# Altium PCB qfc.PcbDoc (part 9 of 13) (continued)
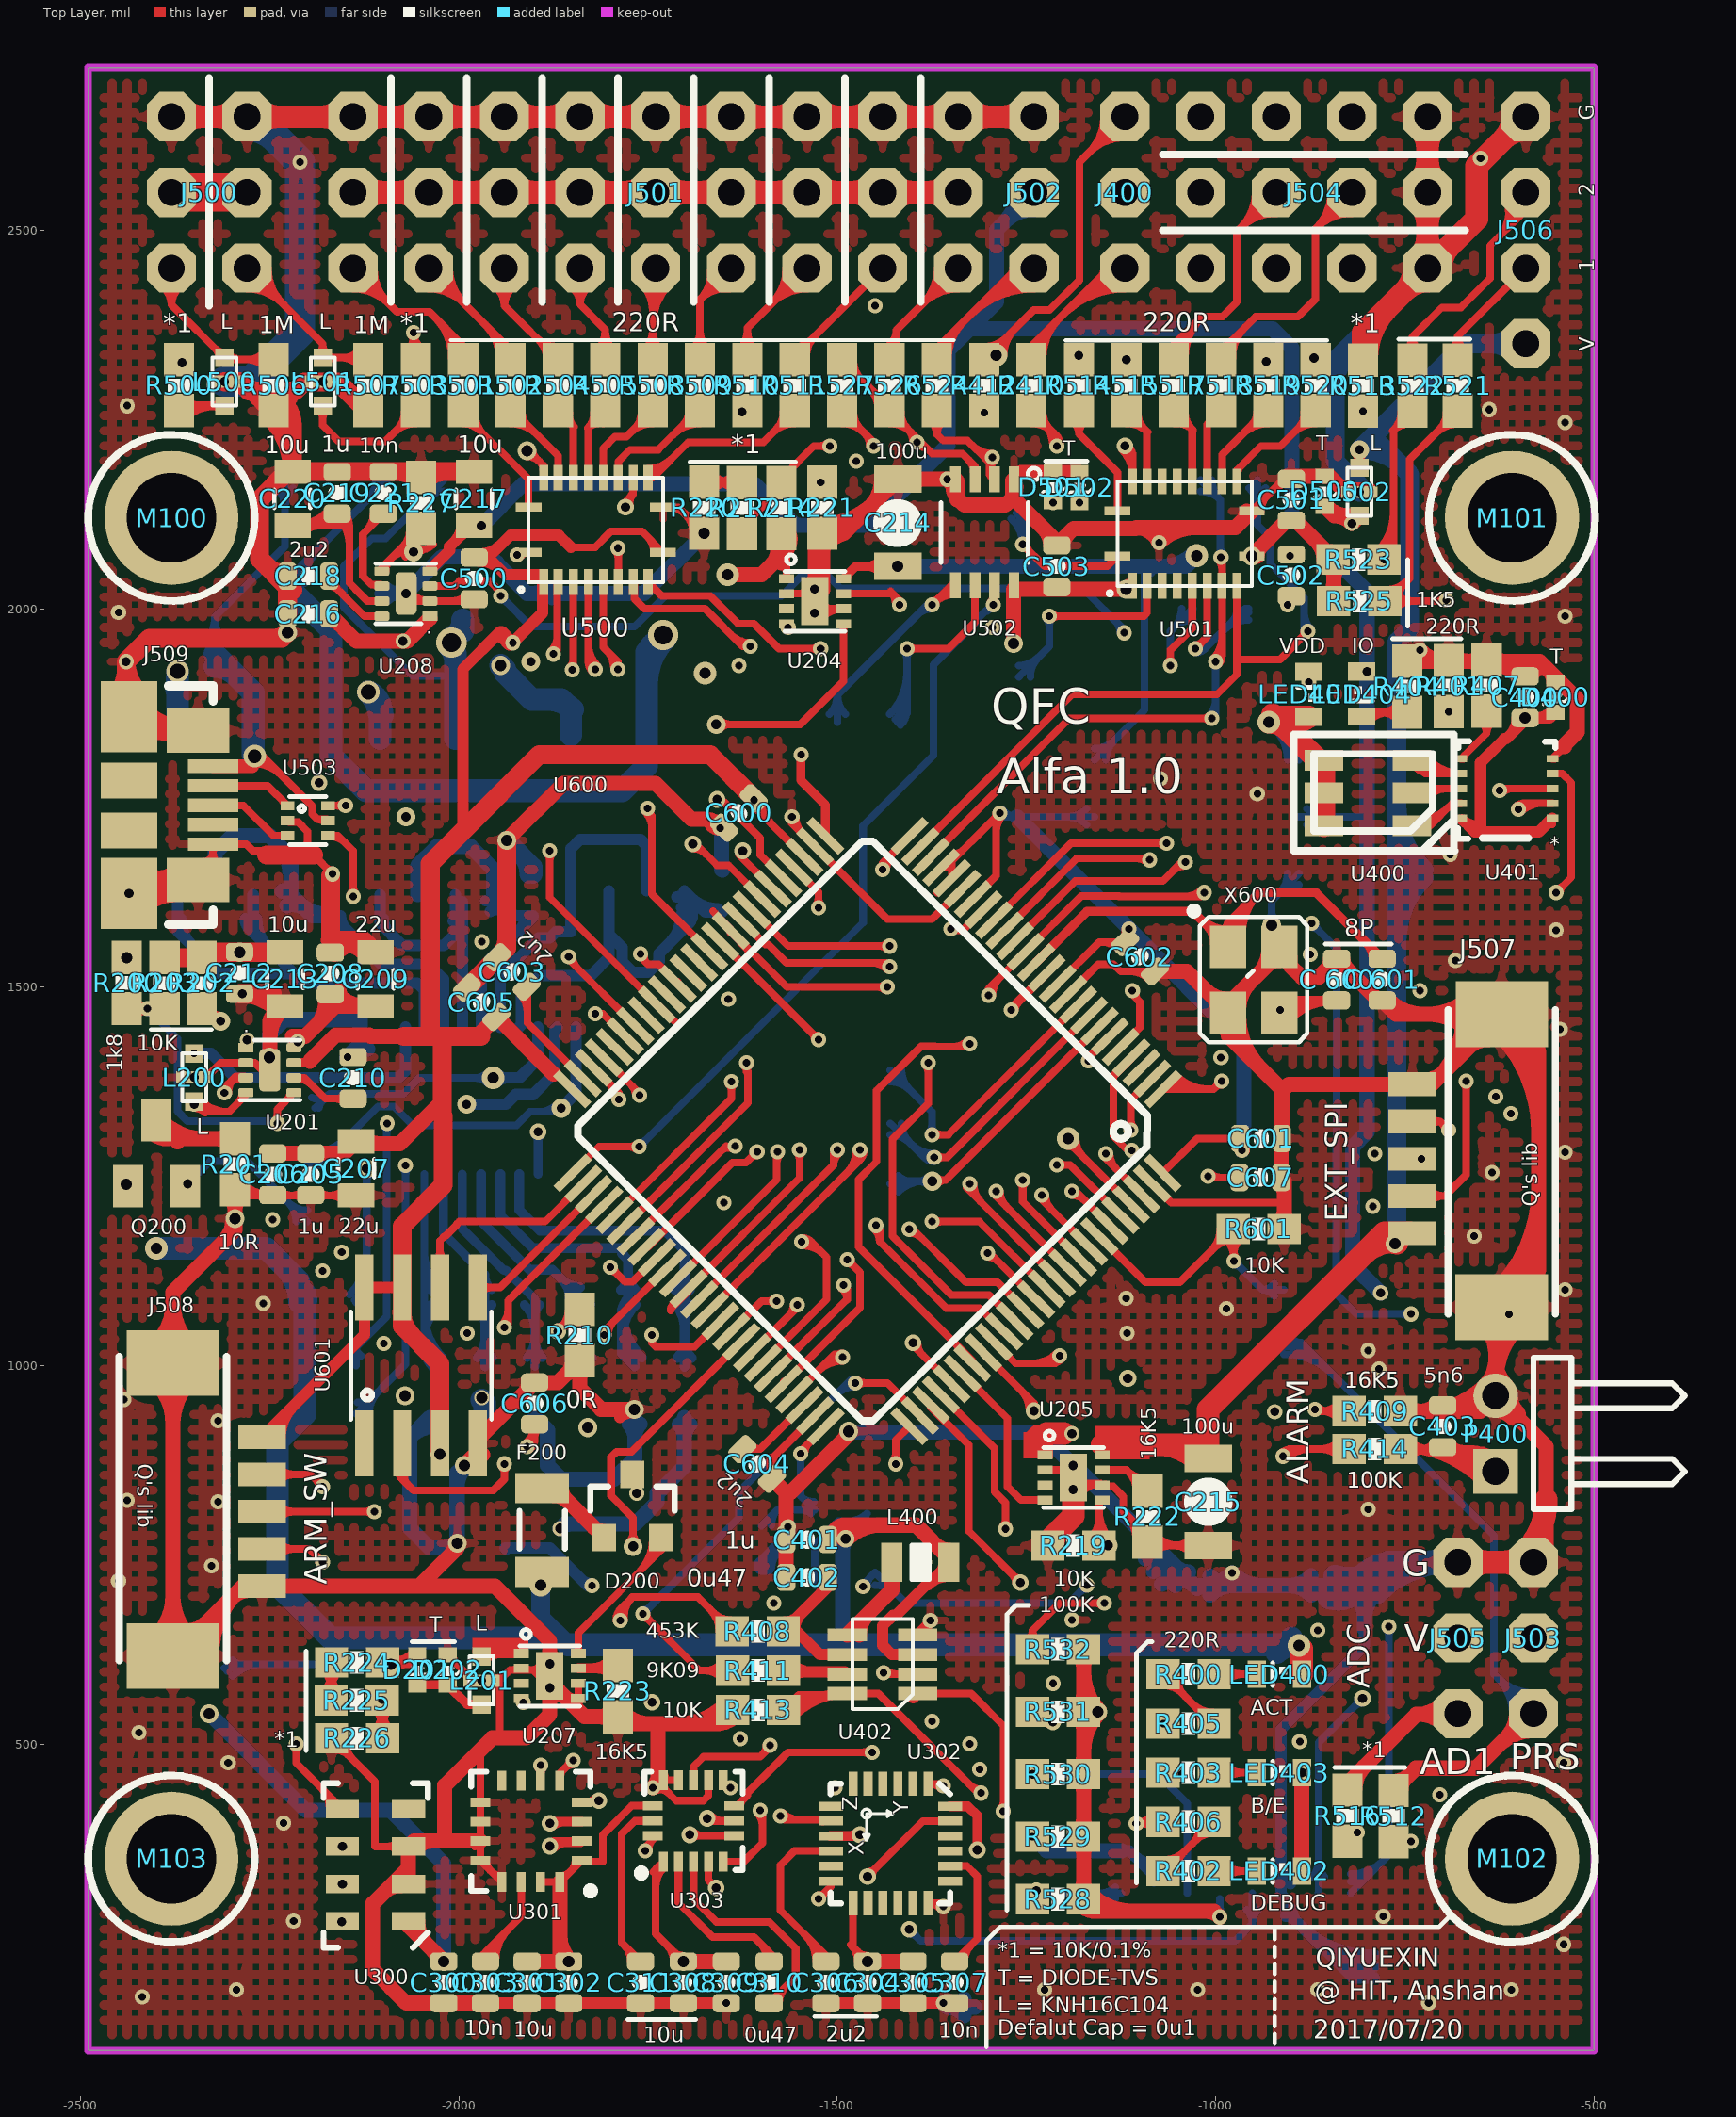
[diagram p0: Top Layer view]
## Nets (pads, with @x,y where several pads share a name; then routed paths per layer and width w, separated by ;. In a path a pad name is that pad's centre, name@x,y a point inside that pad or via, vN(x,y) a via of type N, cw(c..) or ccw(c..) an arc to the next point about the centre after c; other vN are vias at no path point) (continued)
NetR227_2: R227.2 U208.5 U600.37 | length 2708.5
  Top Layer w10: U208.5@-2102,2049.53 -2102,2054 -2075,2081 ; v6(-2060,2075) -2062.07,2075.83 -2075,2081 ; v1(-1751,1736) -1751,1731 -1745,1725 -1745,1622.84 U600.37@-1668.79,1546.63 ; U208.5@-2097,2049.53 cw(c-2074.13,2049.53) -2090.3,2065.7 ; U208.5@-2097,2049.53 cw(c-2074.13,2049.53) -2090.3,2065.7 ; U208.5@-2097,2049.53 cw(c-2074.13,2049.53) -2090.3,2065.7 ; U208.5@-2097,2049.53 cw(c-2074.13,2049.53) -2090.3,2065.7 ; -2091.58,2064.42 cw(c-2060,2032.84) v6@-2060,2077.5 ; -2091.58,2064.42 cw(c-2060,2032.84) v6@-2060,2077.5 ; -2091.58,2064.42 cw(c-2060,2032.84) v6@-2060,2077.5 ; -2091.58,2064.42 cw(c-2060,2032.84) v6@-2060,2077.5 ; -2076,2080 cw(c-2053.88,2057.88) R227.2@-2051.26,2089.05 ; -2076,2080 cw(c-2053.88,2057.88) R227.2@-2051.26,2089.05 ; -2076,2080 cw(c-2053.88,2057.88) R227.2@-2051.26,2089.05 ; -2076,2080 cw(c-2053.88,2057.88) R227.2@-2051.26,2089.05 ; -2075,2081 cw(c-2080.07,2068.33) v6@-2067.12,2072.63 ; -2075,2081 ccw(c-2069.93,2093.67) v6@-2063.52,2081.62 ; -2075,2081 cw(c-2080.07,2068.33) v6@-2067.12,2072.63 ; -2075,2081 ccw(c-2069.93,2093.67) v6@-2063.52,2081.62 ; -2075,2081 cw(c-2080.07,2068.33) v6@-2067.12,2072.63 ; -2075,2081 ccw(c-2069.93,2093.67) v6@-2063.52,2081.62 ; -2075,2081 R227.2@-2050,2106 ; -2074.51,2081.49 cw(c-2060,2066.98) R227.2@-2060,2087.5 ; -2074.51,2081.49 cw(c-2060,2066.98) R227.2@-2060,2087.5 ; -2074.51,2081.49 cw(c-2060,2066.98) R227.2@-2060,2087.5 ; -2074.51,2081.49 cw(c-2060,2066.98) R227.2@-2060,2087.5 ; -2074.19,2081.81 ccw(c-2096.38,2104) R227.2@-2065,2104 ; -2074.19,2081.81 ccw(c-2096.38,2104) R227.2@-2065,2104 ; -2074.19,2081.81 ccw(c-2096.38,2104) R227.2@-2065,2104 ; -2074.19,2081.81 ccw(c-2096.38,2104) R227.2@-2065,2104 ; -2070.8,2068.7 cw(c-2057.28,2076.59) R227.2@-2068.35,2087.66 ; -2070.8,2068.7 cw(c-2057.28,2076.59) R227.2@-2068.35,2087.66 ; -2070.8,2068.7 cw(c-2057.28,2076.59) R227.2@-2068.35,2087.66 ; -2070.8,2068.7 cw(c-2057.28,2076.59) R227.2@-2068.35,2087.66 ; v6@-2070.08,2079.03 ccw(c-2056.86,2112.09) R227.2@-2033.84,2084.93 ; v6@-2070.08,2079.03 ccw(c-2056.86,2112.09) R227.2@-2033.84,2084.93 ; v6@-2070.08,2079.03 ccw(c-2056.86,2112.09) R227.2@-2033.84,2084.93 ; v6@-2070.08,2079.03 ccw(c-2056.86,2112.09) R227.2@-2033.84,2084.93 ; v6@-2062.16,2073.74 cw(c-2045.69,2083.35) R227.2@-2059.17,2096.83 ; v6@-2062.16,2073.74 cw(c-2045.69,2083.35) R227.2@-2059.17,2096.83 ; v6@-2062.16,2073.74 cw(c-2045.69,2083.35) R227.2@-2059.17,2096.83 ; v6@-2062.16,2073.74 cw(c-2045.69,2083.35) R227.2@-2059.17,2096.83 ; v6@-2053.52,2078.78 cw(c-2034.11,2090.11) R227.2@-2050,2106 ; v6@-2053.52,2078.78 cw(c-2034.11,2090.11) R227.2@-2050,2106 ; v6@-2053.52,2078.78 cw(c-2034.11,2090.11) R227.2@-2050,2106 ; v6@-2053.52,2078.78 cw(c-2034.11,2090.11) R227.2@-2050,2106 ; v1@-1754.54,1732.46 cw(c-1777.56,1709.44) -1745,1709.44 ; v1@-1754.54,1732.46 cw(c-1777.56,1709.44) -1745,1709.44 ; v1@-1754.54,1732.46 cw(c-1777.56,1709.44) -1745,1709.44 ; v1@-1754.54,1732.46 cw(c-1777.56,1709.44) -1745,1709.44 ; v1@-1751.65,1731.04 cw(c-1752.64,1723.47) -1745,1723.47 ; v1@-1751.65,1731.04 cw(c-1752.64,1723.47) -1745,1723.47 ; v1@-1751.65,1731.04 cw(c-1752.64,1723.47) -1745,1723.47
  Mid-Layer 1 w10: v6(-2070,1725) -1745,1725 -1751,1731 v1(-1751,1736) ; -1741.34,1725 ccw(c-1741.34,1726.34) -1740.39,1725.39 ; v6@-2064.7,1719.7 cw(c-2051.89,1706.89) -2051.89,1725 ; v6@-2064.7,1719.7 cw(c-2051.89,1706.89) -2051.89,1725 ; v6@-2064.7,1719.7 cw(c-2051.89,1706.89) -2051.89,1725 ; v6@-2064.7,1719.7 cw(c-2051.89,1706.89) -2051.89,1725 ; v6@-2064.7,1730.3 ccw(c-2051.89,1743.11) -2051.89,1725 ; v6@-2064.7,1730.3 ccw(c-2051.89,1743.11) -2051.89,1725 ; v6@-2064.7,1730.3 ccw(c-2051.89,1743.11) -2051.89,1725 ; v6@-2064.7,1730.3 ccw(c-2051.89,1743.11) -2051.89,1725 ; -1789.63,1725 ccw(c-1789.63,1774.63) v1@-1754.54,1739.54 ; -1789.63,1725 ccw(c-1789.63,1774.63) v1@-1754.54,1739.54 ; -1789.63,1725 ccw(c-1789.63,1774.63) v1@-1754.54,1739.54 ; -1789.63,1725 ccw(c-1789.63,1774.63) v1@-1754.54,1739.54 ; -1765.49,1725 ccw(c-1765.49,1750.49) v1@-1747.46,1732.46 ; -1765.49,1725 ccw(c-1765.49,1750.49) v1@-1747.46,1732.46 ; -1765.49,1725 ccw(c-1765.49,1750.49) v1@-1747.46,1732.46 ; -1765.49,1725 ccw(c-1765.49,1750.49) v1@-1747.46,1732.46
  Mid-Layer 2 w10: v6@-2060,1725 v6(-2070,1725) -2092,1747 -2092,1943.89 -2096,1947.89 -2096,2039 v6(-2060,2075) ; -2082.8,1737.8 cw(c-2095.61,1725) -2077.5,1725 ccw(c-2095.61,1725) -2082.8,1737.8 ; -2082.8,1737.8 ccw(c-2070,1750.61) v6@-2070,1732.5 ; -2082.8,1737.8 ccw(c-2070,1750.61) v6@-2070,1732.5 ; -2072.8,2062.2 cw(c-2060,2049.39) -2060,2067.5 ccw(c-2060,2049.39) -2072.8,2062.2 ; -2072.8,2062.2 ccw(c-2085.61,2075) -2067.5,2075 cw(c-2085.61,2075) -2072.8,2062.2 ; v6@-2070,1732.5 ccw(c-2070,1750.61) -2057.2,1737.8 ; v6@-2070,1732.5 ccw(c-2070,1750.61) -2057.2,1737.8 ; -2057.2,1737.8 ccw(c-2044.39,1725) -2062.5,1725 cw(c-2044.39,1725) -2057.2,1737.8
NetR400_1: R400.1 R405.2 | length 551.4
  Top Layer w10: R400.1@-1069.45,592 -1002.45,525 R405.2@-1002.45,526.54 ; R400.1@-1067.45,577 cw(c-1067.45,545.62) -1045.26,567.81 ; R400.1@-1067.45,577 cw(c-1067.45,545.62) -1045.26,567.81 ; R400.1@-1067.45,577 cw(c-1067.45,545.62) -1045.26,567.81 ; R400.1@-1067.45,577 cw(c-1067.45,545.62) -1045.26,567.81 ; R400.1@-1052.45,592 ccw(c-1011.41,592) -1040.43,562.98 ; R400.1@-1052.45,592 ccw(c-1011.41,592) -1040.43,562.98 ; R400.1@-1052.45,592 ccw(c-1011.41,592) -1040.43,562.98 ; R400.1@-1052.45,592 ccw(c-1011.41,592) -1040.43,562.98 ; -1030.38,552.93 ccw(c-1003.98,579.33) R405.2@-1003.98,542 ; -1030.38,552.93 ccw(c-1003.98,579.33) R405.2@-1003.98,542 ; -1030.38,552.93 ccw(c-1003.98,579.33) R405.2@-1003.98,542 ; -1030.38,552.93 ccw(c-1003.98,579.33) R405.2@-1003.98,542 ; -1029.26,551.81 cw(c-1054.08,527) R405.2@-1018.98,527 ; -1029.26,551.81 cw(c-1054.08,527) R405.2@-1018.98,527 ; -1029.26,551.81 cw(c-1054.08,527) R405.2@-1018.98,527 ; -1029.26,551.81 cw(c-1054.08,527) R405.2@-1018.98,527
NetR402_1: R402.1 R406.2 | length 549.5
  Top Layer w10: R402.1@-1069.45,332 -1066.98,332 R406.2@-1001.98,397 ; R402.1@-1067.45,347 ccw(c-1067.45,384.33) -1041.05,357.93 ; R402.1@-1067.45,347 ccw(c-1067.45,384.33) -1041.05,357.93 ; R402.1@-1067.45,347 ccw(c-1067.45,384.33) -1041.05,357.93 ; R402.1@-1067.45,347 ccw(c-1067.45,384.33) -1041.05,357.93 ; R402.1@-1052.45,332 cw(c-1017.35,332) -1042.17,356.81 ; R402.1@-1052.45,332 cw(c-1017.35,332) -1042.17,356.81 ; R402.1@-1052.45,332 cw(c-1017.35,332) -1042.17,356.81 ; R402.1@-1052.45,332 cw(c-1017.35,332) -1042.17,356.81 ; -1031,367.98 ccw(c-1060.03,397) R406.2@-1018.98,397 ; -1031,367.98 ccw(c-1060.03,397) R406.2@-1018.98,397 ; -1031,367.98 ccw(c-1060.03,397) R406.2@-1018.98,397 ; -1031,367.98 ccw(c-1060.03,397) R406.2@-1018.98,397 ; -1026.18,372.81 cw(c-1003.98,350.62) R406.2@-1003.98,382 ; -1026.18,372.81 cw(c-1003.98,350.62) R406.2@-1003.98,382 ; -1026.18,372.81 cw(c-1003.98,350.62) R406.2@-1003.98,382 ; -1026.18,372.81 cw(c-1003.98,350.62) R406.2@-1003.98,382
NetR403_1: R403.1 U600.15 | length 1952.4
  Top Layer w10: U600.15@-1265.13,1560.55 -1185.68,1640 -1070,1640 v1@-1045,1665 ; R403.1@-1069.45,462 v1@-1047,462 ; v1(-1045,460) v1@-1047,462 ; R403.1@-1064.19,458.21 cw(c-1053.73,446.06) v1@-1042.4,457.4 ; R403.1@-1064.19,458.21 cw(c-1053.73,446.06) v1@-1042.4,457.4 ; R403.1@-1064.19,458.21 cw(c-1053.73,446.06) v1@-1042.4,457.4 ; R403.1@-1064.19,458.21 cw(c-1053.73,446.06) v1@-1042.4,457.4 ; R403.1@-1061.9,462 cw(c-1061.9,443.1) R403.1@-1048.54,456.46 ; R403.1@-1061.9,462 cw(c-1061.9,443.1) R403.1@-1048.54,456.46 ; R403.1@-1061.9,462 cw(c-1061.9,443.1) R403.1@-1048.54,456.46 ; R403.1@-1061.9,462 cw(c-1061.9,443.1) R403.1@-1048.54,456.46 ; -1057.07,1652.93 cw(c-1040,1635.86) v1@-1040,1660 ; -1057.07,1652.93 cw(c-1040,1635.86) v1@-1040,1660 ; -1057.07,1652.93 cw(c-1040,1635.86) v1@-1040,1660 ; -1057.07,1652.93 cw(c-1040,1635.86) v1@-1040,1660 ; R403.1@-1053.14,457.5 cw(c-1047,455.56) v1@-1047,462 ; R403.1@-1053.14,457.5 cw(c-1047,455.56) v1@-1047,462 ; R403.1@-1053.14,457.5 cw(c-1047,455.56) v1@-1047,462 ; R403.1@-1053.14,457.5 cw(c-1047,455.56) v1@-1047,462 ; R403.1@-1053.14,466.5 ccw(c-1047,468.44) v1@-1047,462 ; R403.1@-1053.14,466.5 ccw(c-1047,468.44) v1@-1047,462 ; R403.1@-1053.14,466.5 ccw(c-1047,468.44) v1@-1047,462 ; R403.1@-1053.14,466.5 ccw(c-1047,468.44) v1@-1047,462
  Mid-Layer 2 w10: v1@-1040,465 v1(-1040,1665) ; v1@-1048.54,463.54 ccw(c-1069.14,484.14) -1040,484.14 ; v1@-1048.54,463.54 ccw(c-1069.14,484.14) -1040,484.14 ; v1@-1048.54,463.54 ccw(c-1069.14,484.14) -1040,484.14 ; v1@-1048.54,463.54 ccw(c-1069.14,484.14) -1040,484.14 ; v1@-1043.54,1661.46 cw(c-1052.07,1652.93) -1040,1652.93 ; v1@-1043.54,1661.46 cw(c-1052.07,1652.93) -1040,1652.93 ; v1@-1043.54,1661.46 cw(c-1052.07,1652.93) -1040,1652.93 ; v1@-1043.54,1661.46 cw(c-1052.07,1652.93) -1040,1652.93 ; -1040,1652.93 cw(c-1027.93,1652.93) v1@-1036.46,1661.46 ; -1040,1652.93 cw(c-1027.93,1652.93) v1@-1036.46,1661.46 ; -1040,1652.93 cw(c-1027.93,1652.93) v1@-1036.46,1661.46 ; -1040,1652.93 cw(c-1027.93,1652.93) v1@-1036.46,1661.46
NetR405_1: R405.1 U600.17 | length 1672.2
  Top Layer w10: U600.17@-1292.97,1588.39 -1191.36,1690 v1(-1065,1690) ; -1077.07,1690 cw(c-1077.07,1677.93) v1@-1068.54,1686.46 ; -1077.07,1690 ccw(c-1077.07,1702.07) v1@-1068.54,1693.54 ; -1077.07,1690 cw(c-1077.07,1677.93) v1@-1068.54,1686.46 ; -1077.07,1690 ccw(c-1077.07,1702.07) v1@-1068.54,1693.54 ; -1077.07,1690 cw(c-1077.07,1677.93) v1@-1068.54,1686.46 ; -1077.07,1690 ccw(c-1077.07,1702.07) v1@-1068.54,1693.54 ; -1077.07,1690 cw(c-1077.07,1677.93) v1@-1068.54,1686.46 ; -1077.07,1690 ccw(c-1077.07,1702.07) v1@-1068.54,1693.54
  Mid-Layer 2 w10: v1(-1069.45,527) -1065,531.45 v1(-1065,1690) ; v1@-1072.98,530.54 ccw(c-1092.26,549.81) -1065,549.81 ; v1@-1072.98,530.54 ccw(c-1092.26,549.81) -1065,549.81 ; v1@-1072.98,530.54 ccw(c-1092.26,549.81) -1065,549.81 ; v1@-1072.98,530.54 ccw(c-1092.26,549.81) -1065,549.81 ; v1@-1068.54,1686.46 cw(c-1077.07,1677.93) -1065,1677.93 ; v1@-1068.54,1686.46 cw(c-1077.07,1677.93) -1065,1677.93 ; v1@-1068.54,1686.46 cw(c-1077.07,1677.93) -1065,1677.93 ; v1@-1068.54,1686.46 cw(c-1077.07,1677.93) -1065,1677.93 ; -1065,1677.93 cw(c-1052.93,1677.93) v1@-1061.46,1686.46 ; -1065,1677.93 cw(c-1052.93,1677.93) v1@-1061.46,1686.46 ; -1065,1677.93 cw(c-1052.93,1677.93) v1@-1061.46,1686.46 ; -1065,1677.93 cw(c-1052.93,1677.93) v1@-1061.46,1686.46
NetR406_1: R406.1 U600.16 | length 2002.1
  Top Layer w10: U600.16@-1279.05,1574.47 -1183.52,1670 -1089,1670 v1(-1087,1668) ; v1(-1105,395) v1@-1103,397 ; R406.1@-1069.45,397 v1@-1103,397 ; -1103.9,1670 cw(c-1103.9,1651.1) v1@-1090.54,1664.46 ; -1103.9,1670 cw(c-1103.9,1651.1) v1@-1090.54,1664.46 ; -1103.9,1670 cw(c-1103.9,1651.1) v1@-1090.54,1664.46 ; -1103.9,1670 cw(c-1103.9,1651.1) v1@-1090.54,1664.46 ; v1@-1103,397 cw(c-1103,371.32) R406.1@-1083.08,387.53 ; v1@-1103,397 ccw(c-1103,422.68) R406.1@-1083.08,406.47 ; v1@-1103,397 cw(c-1103,371.32) R406.1@-1083.08,387.53 ; v1@-1103,397 ccw(c-1103,422.68) R406.1@-1083.08,406.47 ; v1@-1103,397 cw(c-1103,371.32) R406.1@-1083.08,387.53 ; v1@-1103,397 ccw(c-1103,422.68) R406.1@-1083.08,406.47 ; v1@-1103,397 cw(c-1103,371.32) R406.1@-1083.08,387.53 ; v1@-1103,397 ccw(c-1103,422.68) R406.1@-1083.08,406.47 ; v1@-1101.46,391.46 cw(c-1088.1,378.1) R406.1@-1088.1,397 ; v1@-1101.46,391.46 cw(c-1088.1,378.1) R406.1@-1088.1,397 ; v1@-1101.46,391.46 cw(c-1088.1,378.1) R406.1@-1088.1,397 ; v1@-1101.46,391.46 cw(c-1088.1,378.1) R406.1@-1088.1,397
  Mid-Layer 2 w10: v1(-1105,395) -1105,535 -1087,553 v1(-1087,1668) ; v1@-1108.54,398.54 ccw(c-1117.07,407.07) -1105,407.07 ; v1@-1108.54,398.54 ccw(c-1117.07,407.07) -1105,407.07 ; v1@-1108.54,398.54 ccw(c-1117.07,407.07) -1105,407.07 ; v1@-1108.54,398.54 ccw(c-1117.07,407.07) -1105,407.07 ; -1105,407.07 ccw(c-1092.93,407.07) v1@-1101.46,398.54 ; -1105,407.07 ccw(c-1092.93,407.07) v1@-1101.46,398.54 ; -1105,407.07 ccw(c-1092.93,407.07) v1@-1101.46,398.54 ; -1105,407.07 ccw(c-1092.93,407.07) v1@-1101.46,398.54 ; v1@-1090.54,1664.46 cw(c-1099.07,1655.93) -1087,1655.93 ; v1@-1090.54,1664.46 cw(c-1099.07,1655.93) -1087,1655.93 ; v1@-1090.54,1664.46 cw(c-1099.07,1655.93) -1087,1655.93 ; v1@-1090.54,1664.46 cw(c-1099.07,1655.93) -1087,1655.93 ; -1087,1655.93 cw(c-1074.93,1655.93) v1@-1083.46,1664.46 ; -1087,1655.93 cw(c-1074.93,1655.93) v1@-1083.46,1664.46 ; -1087,1655.93 cw(c-1074.93,1655.93) v1@-1083.46,1664.46 ; -1087,1655.93 cw(c-1074.93,1655.93) v1@-1083.46,1664.46
NetR407_1: R407.1 U401.6 | length 236.5
  Top Layer w10: U401.6@-675.63,1801.74 -642,1835.37 ; R407.1@-642,1864.54 -642,1835.37 ; U401.6@-672.76,1801.74 cw(c-665.82,1801.74) U401.6@-670.72,1806.65 ; U401.6@-672.76,1801.74 cw(c-665.82,1801.74) U401.6@-670.72,1806.65 ; U401.6@-672.76,1801.74 cw(c-665.82,1801.74) U401.6@-670.72,1806.65 ; U401.6@-672.76,1801.74 cw(c-665.82,1801.74) U401.6@-670.72,1806.65 ; R407.1@-649.99,1849.84 cw(c-659.1,1835.37) -642,1835.37 ; R407.1@-649.99,1849.84 cw(c-659.1,1835.37) -642,1835.37 ; R407.1@-649.99,1849.84 cw(c-659.1,1835.37) -642,1835.37 ; R407.1@-649.99,1849.84 cw(c-659.1,1835.37) -642,1835.37 ; -642,1835.37 cw(c-624.9,1835.37) R407.1@-634.01,1849.84 ; -642,1835.37 cw(c-624.9,1835.37) R407.1@-634.01,1849.84 ; -642,1835.37 cw(c-624.9,1835.37) R407.1@-634.01,1849.84 ; -642,1835.37 cw(c-624.9,1835.37) R407.1@-634.01,1849.84
NetR408_2: R408.2 R409.1 U402.2 | length 3002.7
  Top Layer w10: v1(-1787,663) -1787,678 -1771,694 ; R408.2@-1639,648.73 -1684.27,694 -1771,694 ; v1(-1439,594) -1437.2,592.2 U402.2@-1393.74,592.2 -1421.8,592.2 ; v1(-869,942) -866.69,939.69 R409.1@-823.46,939.69 ; v1@-1791.98,662.54 cw(c-1771.55,664.44) -1786.06,678.94 ; v1@-1791.98,662.54 cw(c-1771.55,664.44) -1786.06,678.94 ; v1@-1791.98,662.54 cw(c-1771.55,664.44) -1786.06,678.94 ; v1@-1791.98,662.54 cw(c-1771.55,664.44) -1786.06,678.94 ; v1@-1790.54,666.54 ccw(c-1799.07,675.07) -1787,675.07 ; v1@-1790.54,666.54 ccw(c-1799.07,675.07) -1787,675.07 ; v1@-1790.54,666.54 ccw(c-1799.07,675.07) -1787,675.07 ; v1@-1790.54,666.54 ccw(c-1799.07,675.07) -1787,675.07 ; -1787,675.07 ccw(c-1774.93,675.07) v1@-1783.46,666.54 ; -1787,675.07 ccw(c-1774.93,675.07) v1@-1783.46,666.54 ; -1787,675.07 ccw(c-1774.93,675.07) v1@-1783.46,666.54 ; -1787,675.07 ccw(c-1774.93,675.07) v1@-1783.46,666.54 ; v1@-1782.02,663.46 cw(c-1744,667) -1771,694 ; v1@-1782.02,663.46 cw(c-1744,667) -1771,694 ; v1@-1782.02,663.46 cw(c-1744,667) -1771,694 ; v1@-1782.02,663.46 cw(c-1744,667) -1771,694 ; -1668.02,677.75 cw(c-1697.04,648.73) R408.2@-1656,648.73 ; -1668.02,677.75 cw(c-1697.04,648.73) R408.2@-1656,648.73 ; -1668.02,677.75 cw(c-1697.04,648.73) R408.2@-1656,648.73 ; -1668.02,677.75 cw(c-1697.04,648.73) R408.2@-1656,648.73 ; -1663.19,672.92 ccw(c-1641,695.12) R408.2@-1641,663.73 ; -1663.19,672.92 ccw(c-1641,695.12) R408.2@-1641,663.73 ; -1663.19,672.92 ccw(c-1641,695.12) R408.2@-1641,663.73 ; -1663.19,672.92 ccw(c-1641,695.12) R408.2@-1641,663.73 ; v1@-1435.46,597.54 ccw(c-1422.59,610.41) -1422.59,592.2 ; v1@-1435.46,597.54 ccw(c-1422.59,610.41) -1422.59,592.2 ; v1@-1435.46,597.54 ccw(c-1422.59,610.41) -1422.59,592.2 ; v1@-1435.46,597.54 ccw(c-1422.59,610.41) -1422.59,592.2 ; v1@-865.46,945.54 ccw(c-851.34,959.66) -851.34,939.69 ; v1@-865.46,945.54 ccw(c-851.34,959.66) -851.34,939.69 ; v1@-865.46,945.54 ccw(c-851.34,959.66) -851.34,939.69 ; v1@-865.46,945.54 ccw(c-851.34,959.66) -851.34,939.69 ; v1@-861.68,939.69 cw(c-861.68,903.47) R409.1@-836.07,929.08 ; v1@-861.68,939.69 ccw(c-861.68,975.9) R409.1@-836.07,950.29 ; v1@-861.68,939.69 cw(c-861.68,903.47) R409.1@-836.07,929.08 ; v1@-861.68,939.69 ccw(c-861.68,975.9) R409.1@-836.07,950.29 ; v1@-861.68,939.69 cw(c-861.68,903.47) R409.1@-836.07,929.08 ; v1@-861.68,939.69 ccw(c-861.68,975.9) R409.1@-836.07,950.29 ; v1@-861.68,939.69 cw(c-861.68,903.47) R409.1@-836.07,929.08 ; v1@-861.68,939.69 ccw(c-861.68,975.9) R409.1@-836.07,950.29
  Mid-Layer 1 w10: v1(-1787,663) -1787,638 -1744,595 -1440,595 v1(-1439,594) -1430,603 -878.82,603 -863,618.82 -863,648.25 v1(-865,650.25) ; v1@-1790.54,659.46 cw(c-1799.07,650.93) -1787,650.93 ; v1@-1790.54,659.46 cw(c-1799.07,650.93) -1787,650.93 ; v1@-1790.54,659.46 cw(c-1799.07,650.93) -1787,650.93 ; v1@-1790.54,659.46 cw(c-1799.07,650.93) -1787,650.93 ; -1787,650.93 cw(c-1774.93,650.93) v1@-1783.46,659.46 ; -1787,650.93 cw(c-1774.93,650.93) v1@-1783.46,659.46 ; -1787,650.93 cw(c-1774.93,650.93) v1@-1783.46,659.46 ; -1787,650.93 cw(c-1774.93,650.93) v1@-1783.46,659.46 ; -1453.49,595 cw(c-1453.49,579.51) v1@-1442.54,590.46 ; -1453.49,595 cw(c-1453.49,579.51) v1@-1442.54,590.46 ; -1453.49,595 cw(c-1453.49,579.51) v1@-1442.54,590.46 ; -1453.49,595 cw(c-1453.49,579.51) v1@-1442.54,590.46 ; v1@-1442.54,597.54 cw(c-1429.34,584.34) -1429.34,603 ; v1@-1442.54,597.54 cw(c-1429.34,584.34) -1429.34,603 ; v1@-1442.54,597.54 cw(c-1429.34,584.34) -1429.34,603 ; v1@-1442.54,597.54 cw(c-1429.34,584.34) -1429.34,603 ; v1@-1435.46,590.46 cw(c-1405.2,560.2) -1405.2,603 ; v1@-1435.46,590.46 cw(c-1405.2,560.2) -1405.2,603 ; v1@-1435.46,590.46 cw(c-1405.2,560.2) -1405.2,603 ; v1@-1435.46,590.46 cw(c-1405.2,560.2) -1405.2,603 ; v1@-868.54,646.72 cw(c-881.9,633.36) -863,633.36 ; v1@-868.54,646.72 cw(c-881.9,633.36) -863,633.36 ; v1@-868.54,646.72 cw(c-881.9,633.36) -863,633.36 ; v1@-868.54,646.72 cw(c-881.9,633.36) -863,633.36
  Mid-Layer 2 w10: v1(-869,942) -865,938 v1(-865,650.25) ; v1@-872.54,938.46 cw(c-890.73,920.27) -865,920.27 ; v1@-872.54,938.46 cw(c-890.73,920.27) -865,920.27 ; v1@-872.54,938.46 cw(c-890.73,920.27) -865,920.27 ; v1@-872.54,938.46 cw(c-890.73,920.27) -865,920.27 ; v1@-868.54,653.79 ccw(c-877.07,662.33) -865,662.33 ; v1@-868.54,653.79 ccw(c-877.07,662.33) -865,662.33 ; v1@-868.54,653.79 ccw(c-877.07,662.33) -865,662.33 ; v1@-868.54,653.79 ccw(c-877.07,662.33) -865,662.33 ; -865,662.33 ccw(c-852.93,662.33) v1@-861.46,653.79 ; -865,662.33 ccw(c-852.93,662.33) v1@-861.46,653.79 ; -865,662.33 ccw(c-852.93,662.33) v1@-861.46,653.79 ; -865,662.33 ccw(c-852.93,662.33) v1@-861.46,653.79
NetR410_1: R410.1 U600.98 | length 1885.5
  Top Layer w10: R410.1@-1243.34,2261.54 -1210,2228.2 v1(-1210,2215) ; v1(-1145,1280) -1145,1273.39 U600.98@-1098.07,1226.46 ; R410.1@-1243.34,2244.54 cw(c-1243.34,2203.5) -1214.31,2232.52 ; R410.1@-1243.34,2244.54 cw(c-1243.34,2203.5) -1214.31,2232.52 ; R410.1@-1243.34,2244.54 cw(c-1243.34,2203.5) -1214.31,2232.52 ; R410.1@-1243.34,2244.54 cw(c-1243.34,2203.5) -1214.31,2232.52 ; R410.1@-1228.34,2259.54 ccw(c-1196.95,2259.54) -1219.14,2237.34 ; R410.1@-1228.34,2259.54 ccw(c-1196.95,2259.54) -1219.14,2237.34 ; R410.1@-1228.34,2259.54 ccw(c-1196.95,2259.54) -1219.14,2237.34 ; R410.1@-1228.34,2259.54 ccw(c-1196.95,2259.54) -1219.14,2237.34 ; R410.1@-1227.87,2246.07 cw(c-1258.94,2215) v1@-1215,2215 ; R410.1@-1227.87,2246.07 cw(c-1258.94,2215) v1@-1215,2215 ; R410.1@-1227.87,2246.07 cw(c-1258.94,2215) v1@-1215,2215 ; R410.1@-1227.87,2246.07 cw(c-1258.94,2215) v1@-1215,2215 ; v1@-1213.54,2218.54 ccw(c-1222.07,2227.07) -1210,2227.07 ; v1@-1213.54,2218.54 ccw(c-1222.07,2227.07) -1210,2227.07 ; v1@-1213.54,2218.54 ccw(c-1222.07,2227.07) -1210,2227.07 ; -1210.8,2229 cw(c-1224.8,2215) v1@-1205,2215 ; -1210.8,2229 cw(c-1224.8,2215) v1@-1205,2215 ; -1210.8,2229 cw(c-1224.8,2215) v1@-1205,2215 ; -1210.8,2229 cw(c-1224.8,2215) v1@-1205,2215 ; -1210,2227.07 ccw(c-1197.93,2227.07) v1@-1206.46,2218.54 ; -1210,2227.07 ccw(c-1197.93,2227.07) v1@-1206.46,2218.54 ; -1210,2227.07 ccw(c-1197.93,2227.07) v1@-1206.46,2218.54 ; v1@-1140,1280 ccw(c-1111.97,1280) -1131.79,1260.18 ; v1@-1140,1280 ccw(c-1111.97,1280) -1131.79,1260.18 ; v1@-1140,1280 ccw(c-1111.97,1280) -1131.79,1260.18 ; v1@-1140,1280 ccw(c-1111.97,1280) -1131.79,1260.18
  Mid-Layer 2 w10: v1(-1210,2215) -1200,2215 -1158,2173 -1158,2130.89 -1159,2129.89 -1159,1424.66 -1146.02,1411.69 -1146.02,1393.46 -1150.19,1389.29 -1150.19,1285.19 v1(-1145,1280) ; v1@-1210,2210 cw(c-1210,2173.79) -1184.39,2199.39 ; v1@-1210,2210 cw(c-1210,2173.79) -1184.39,2199.39 ; v1@-1210,2210 cw(c-1210,2173.79) -1184.39,2199.39 ; v1@-1210,2210 cw(c-1210,2173.79) -1184.39,2199.39 ; -1150.19,1304.6 ccw(c-1120.4,1304.6) v1@-1141.46,1283.54 ; -1150.19,1304.6 ccw(c-1120.4,1304.6) v1@-1141.46,1283.54 ; -1150.19,1304.6 ccw(c-1120.4,1304.6) v1@-1141.46,1283.54 ; -1150.19,1304.6 ccw(c-1120.4,1304.6) v1@-1141.46,1283.54
NetR411_1: R411.1 U600.77 | length 1253.1
  Top Layer w10: v1(-1757,672) -1681.87,596.87 R411.1@-1638.46,596.87 ; v1(-1476.12,977) -1433.88,977 U600.77@-1390.7,933.82 ; v1@-1757,667 cw(c-1757,654.93) -1748.46,663.46 ; v1@-1757,667 cw(c-1757,654.93) -1748.46,663.46 ; v1@-1757,667 cw(c-1757,654.93) -1748.46,663.46 ; v1@-1757,667 cw(c-1757,654.93) -1748.46,663.46 ; v1@-1752,672 ccw(c-1739.93,672) -1748.46,663.46 ; v1@-1752,672 ccw(c-1739.93,672) -1748.46,663.46 ; v1@-1752,672 ccw(c-1739.93,672) -1748.46,663.46 ; v1@-1752,672 ccw(c-1739.93,672) -1748.46,663.46 ; -1676.68,596.87 cw(c-1676.68,560.65) R411.1@-1651.07,586.26 ; -1676.68,596.87 ccw(c-1676.68,633.08) R411.1@-1651.07,607.47 ; -1676.68,596.87 cw(c-1676.68,560.65) R411.1@-1651.07,586.26 ; -1676.68,596.87 ccw(c-1676.68,633.08) R411.1@-1651.07,607.47 ; -1676.68,596.87 cw(c-1676.68,560.65) R411.1@-1651.07,586.26 ; -1676.68,596.87 ccw(c-1676.68,633.08) R411.1@-1651.07,607.47 ; -1676.68,596.87 cw(c-1676.68,560.65) R411.1@-1651.07,586.26 ; -1676.68,596.87 ccw(c-1676.68,633.08) R411.1@-1651.07,607.47 ; v1@-1472.58,973.46 cw(c-1464.04,964.93) -1464.04,977 ; v1@-1472.58,973.46 cw(c-1464.04,964.93) -1464.04,977 ; v1@-1472.58,973.46 cw(c-1464.04,964.93) -1464.04,977 ; v1@-1472.58,973.46 cw(c-1464.04,964.93) -1464.04,977 ; v1@-1472.58,980.54 ccw(c-1464.04,989.07) -1464.04,977 ; v1@-1472.58,980.54 ccw(c-1464.04,989.07) -1464.04,977 ; v1@-1472.58,980.54 ccw(c-1464.04,989.07) -1464.04,977 ; v1@-1472.58,980.54 ccw(c-1464.04,989.07) -1464.04,977
  Bottom Layer w10: v1(-1757,672) -1630,799 -1630,833.12 -1481.12,982 v1(-1476.12,977) ; v1@-1757,677 ccw(c-1757,689.07) -1748.46,680.54 ; v1@-1757,677 ccw(c-1757,689.07) -1748.46,680.54 ; v1@-1757,677 ccw(c-1757,689.07) -1748.46,680.54 ; v1@-1757,677 ccw(c-1757,689.07) -1748.46,680.54 ; v1@-1752,672 cw(c-1739.93,672) -1748.46,680.54 ; v1@-1752,672 cw(c-1739.93,672) -1748.46,680.54 ; v1@-1752,672 cw(c-1739.93,672) -1748.46,680.54 ; v1@-1752,672 cw(c-1739.93,672) -1748.46,680.54 ; -1501.72,961.39 cw(c-1476.12,935.79) v1@-1476.12,972 ; -1501.72,961.39 cw(c-1476.12,935.79) v1@-1476.12,972 ; -1501.72,961.39 cw(c-1476.12,935.79) v1@-1476.12,972 ; -1501.72,961.39 cw(c-1476.12,935.79) v1@-1476.12,972
NetR411_2: R411.2 U402.7 | length 313.1
  Top Layer w15: R411.2@-1571,596.87 -1569.13,595 -1489.8,595 U402.7@-1487,592.2 ; R411.2@-1560.16,588.03 cw(c-1543.33,571.19) -1543.33,595 ; R411.2@-1560.16,588.03 cw(c-1543.33,571.19) -1543.33,595 ; R411.2@-1560.16,588.03 cw(c-1543.33,571.19) -1543.33,595 ; R411.2@-1560.16,588.03 cw(c-1543.33,571.19) -1543.33,595 ; R411.2@-1560.16,605.7 ccw(c-1534.32,631.55) -1534.32,595 ; R411.2@-1560.16,605.7 ccw(c-1534.32,631.55) -1534.32,595 ; R411.2@-1560.16,605.7 ccw(c-1534.32,631.55) -1534.32,595 ; R411.2@-1560.16,605.7 ccw(c-1534.32,631.55) -1534.32,595 ; -1513.66,595 cw(c-1513.66,583.04) U402.7@-1505.21,591.5 ; -1513.66,595 cw(c-1513.66,583.04) U402.7@-1505.21,591.5 ; -1513.66,595 cw(c-1513.66,583.04) U402.7@-1505.21,591.5 ; -1513.66,595 cw(c-1513.66,583.04) U402.7@-1505.21,591.5
NetR413_2: R413.2 R414.1 U402.8 | length 2857.4
  Top Layer w10: R413.2@-1571,545 -1551.13,564.87 U402.8@-1488.75,564.87 ; v1(-1310,435) -1314,435 -1445.61,566.61 U402.8@-1487,566.61 U402.8@-1488.75,564.87 ; v1(-911,880) -901.31,889.69 R414.1@-823.46,889.69 ; R413.2@-1572.65,548.41 cw(c-1534.78,513.06) -1534.78,564.87 ; R413.2@-1572.65,548.41 cw(c-1534.78,513.06) -1534.78,564.87 ; R413.2@-1572.65,548.41 cw(c-1534.78,513.06) -1534.78,564.87 ; R413.2@-1572.65,548.41 cw(c-1534.78,513.06) -1534.78,564.87 ; R413.2@-1565.35,541.59 cw(c-1511.77,491.57) U402.8@-1511.77,564.87 ; R413.2@-1565.35,541.59 cw(c-1511.77,491.57) U402.8@-1511.77,564.87 ; R413.2@-1565.35,541.59 cw(c-1511.77,491.57) U402.8@-1511.77,564.87 ; R413.2@-1565.35,541.59 cw(c-1511.77,491.57) U402.8@-1511.77,564.87 ; R413.2@-1558.04,534.76 cw(c-1488.75,470.08) U402.8@-1488.75,564.87 ; R413.2@-1558.04,534.76 cw(c-1488.75,470.08) U402.8@-1488.75,564.87 ; R413.2@-1558.04,534.76 cw(c-1488.75,470.08) U402.8@-1488.75,564.87 ; R413.2@-1558.04,534.76 cw(c-1488.75,470.08) U402.8@-1488.75,564.87 ; -1517.17,564.87 ccw(c-1517.17,579.28) U402.8@-1506.97,569.09 ; -1517.17,564.87 ccw(c-1517.17,579.28) U402.8@-1506.97,569.09 ; -1517.17,564.87 ccw(c-1517.17,579.28) U402.8@-1506.97,569.09 ; -1517.17,564.87 ccw(c-1517.17,579.28) U402.8@-1506.97,569.09 ; -1325.36,446.36 ccw(c-1310,461.73) v1@-1310,440 ; -1325.36,446.36 ccw(c-1310,461.73) v1@-1310,440 ; -1325.36,446.36 ccw(c-1310,461.73) v1@-1310,440 ; -1325.36,446.36 ccw(c-1310,461.73) v1@-1310,440 ; v1@-914.54,883.54 cw(c-899.69,868.69) -899.69,889.69 ; v1@-914.54,883.54 cw(c-899.69,868.69) -899.69,889.69 ; v1@-914.54,883.54 cw(c-899.69,868.69) -899.69,889.69 ; v1@-914.54,883.54 cw(c-899.69,868.69) -899.69,889.69 ; v1@-907.46,876.46 cw(c-875.55,844.55) -875.55,889.69 ; v1@-907.46,876.46 cw(c-875.55,844.55) -875.55,889.69 ; v1@-907.46,876.46 cw(c-875.55,844.55) -875.55,889.69 ; v1@-907.46,876.46 cw(c-875.55,844.55) -875.55,889.69 ; -861.68,889.69 cw(c-861.68,853.47) R414.1@-836.07,879.08 ; -861.68,889.69 ccw(c-861.68,925.9) R414.1@-836.07,900.29 ; -861.68,889.69 cw(c-861.68,853.47) R414.1@-836.07,879.08 ; -861.68,889.69 ccw(c-861.68,925.9) R414.1@-836.07,900.29 ; -861.68,889.69 cw(c-861.68,853.47) R414.1@-836.07,879.08 ; -861.68,889.69 ccw(c-861.68,925.9) R414.1@-836.07,900.29 ; -861.68,889.69 cw(c-861.68,853.47) R414.1@-836.07,879.08 ; -861.68,889.69 ccw(c-861.68,925.9) R414.1@-836.07,900.29
  Mid-Layer 1 w10: v1(-1310,435) -1310,434 -1241,503 v1(-889,503) ; v1@-1310,440 ccw(c-1310,454.49) -1299.76,444.24 ; v1@-1310,440 ccw(c-1310,454.49) -1299.76,444.24 ; v1@-1310,440 ccw(c-1310,454.49) -1299.76,444.24 ; v1@-1310,440 ccw(c-1310,454.49) -1299.76,444.24 ; v1@-1305,435 cw(c-1295.34,435) -1302.17,441.83 ; v1@-1305,435 cw(c-1295.34,435) -1302.17,441.83 ; v1@-1305,435 cw(c-1295.34,435) -1302.17,441.83 ; v1@-1305,435 cw(c-1295.34,435) -1302.17,441.83 ; -901.07,503 cw(c-901.07,490.93) v1@-892.54,499.46 ; -901.07,503 ccw(c-901.07,515.07) v1@-892.54,506.54 ; -901.07,503 cw(c-901.07,490.93) v1@-892.54,499.46 ; -901.07,503 ccw(c-901.07,515.07) v1@-892.54,506.54 ; -901.07,503 cw(c-901.07,490.93) v1@-892.54,499.46 ; -901.07,503 ccw(c-901.07,515.07) v1@-892.54,506.54 ; -901.07,503 cw(c-901.07,490.93) v1@-892.54,499.46 ; -901.07,503 ccw(c-901.07,515.07) v1@-892.54,506.54
  Mid-Layer 2 w10: v1(-911,880) -917,874 -917,531 v1(-889,503) ; -917,853.44 cw(c-884.44,853.44) v1@-907.46,876.46 ; -917,853.44 cw(c-884.44,853.44) v1@-907.46,876.46 ; -917,853.44 cw(c-884.44,853.44) v1@-907.46,876.46 ; -917,853.44 cw(c-884.44,853.44) v1@-907.46,876.46 ; -897.54,511.54 cw(c-906.07,503) v1@-894,503 ; -897.54,511.54 ccw(c-889,520.07) v1@-889,508 ; -897.54,511.54 cw(c-906.07,503) v1@-894,503 ; -897.54,511.54 ccw(c-889,520.07) v1@-889,508 ; -897.54,511.54 cw(c-906.07,503) v1@-894,503 ; -897.54,511.54 ccw(c-889,520.07) v1@-889,508 ; -897.54,511.54 cw(c-906.07,503) v1@-894,503 ; -897.54,511.54 ccw(c-889,520.07) v1@-889,508